# Allegro board IMX7D EVK BOARD REV D_160314.brd (continued)
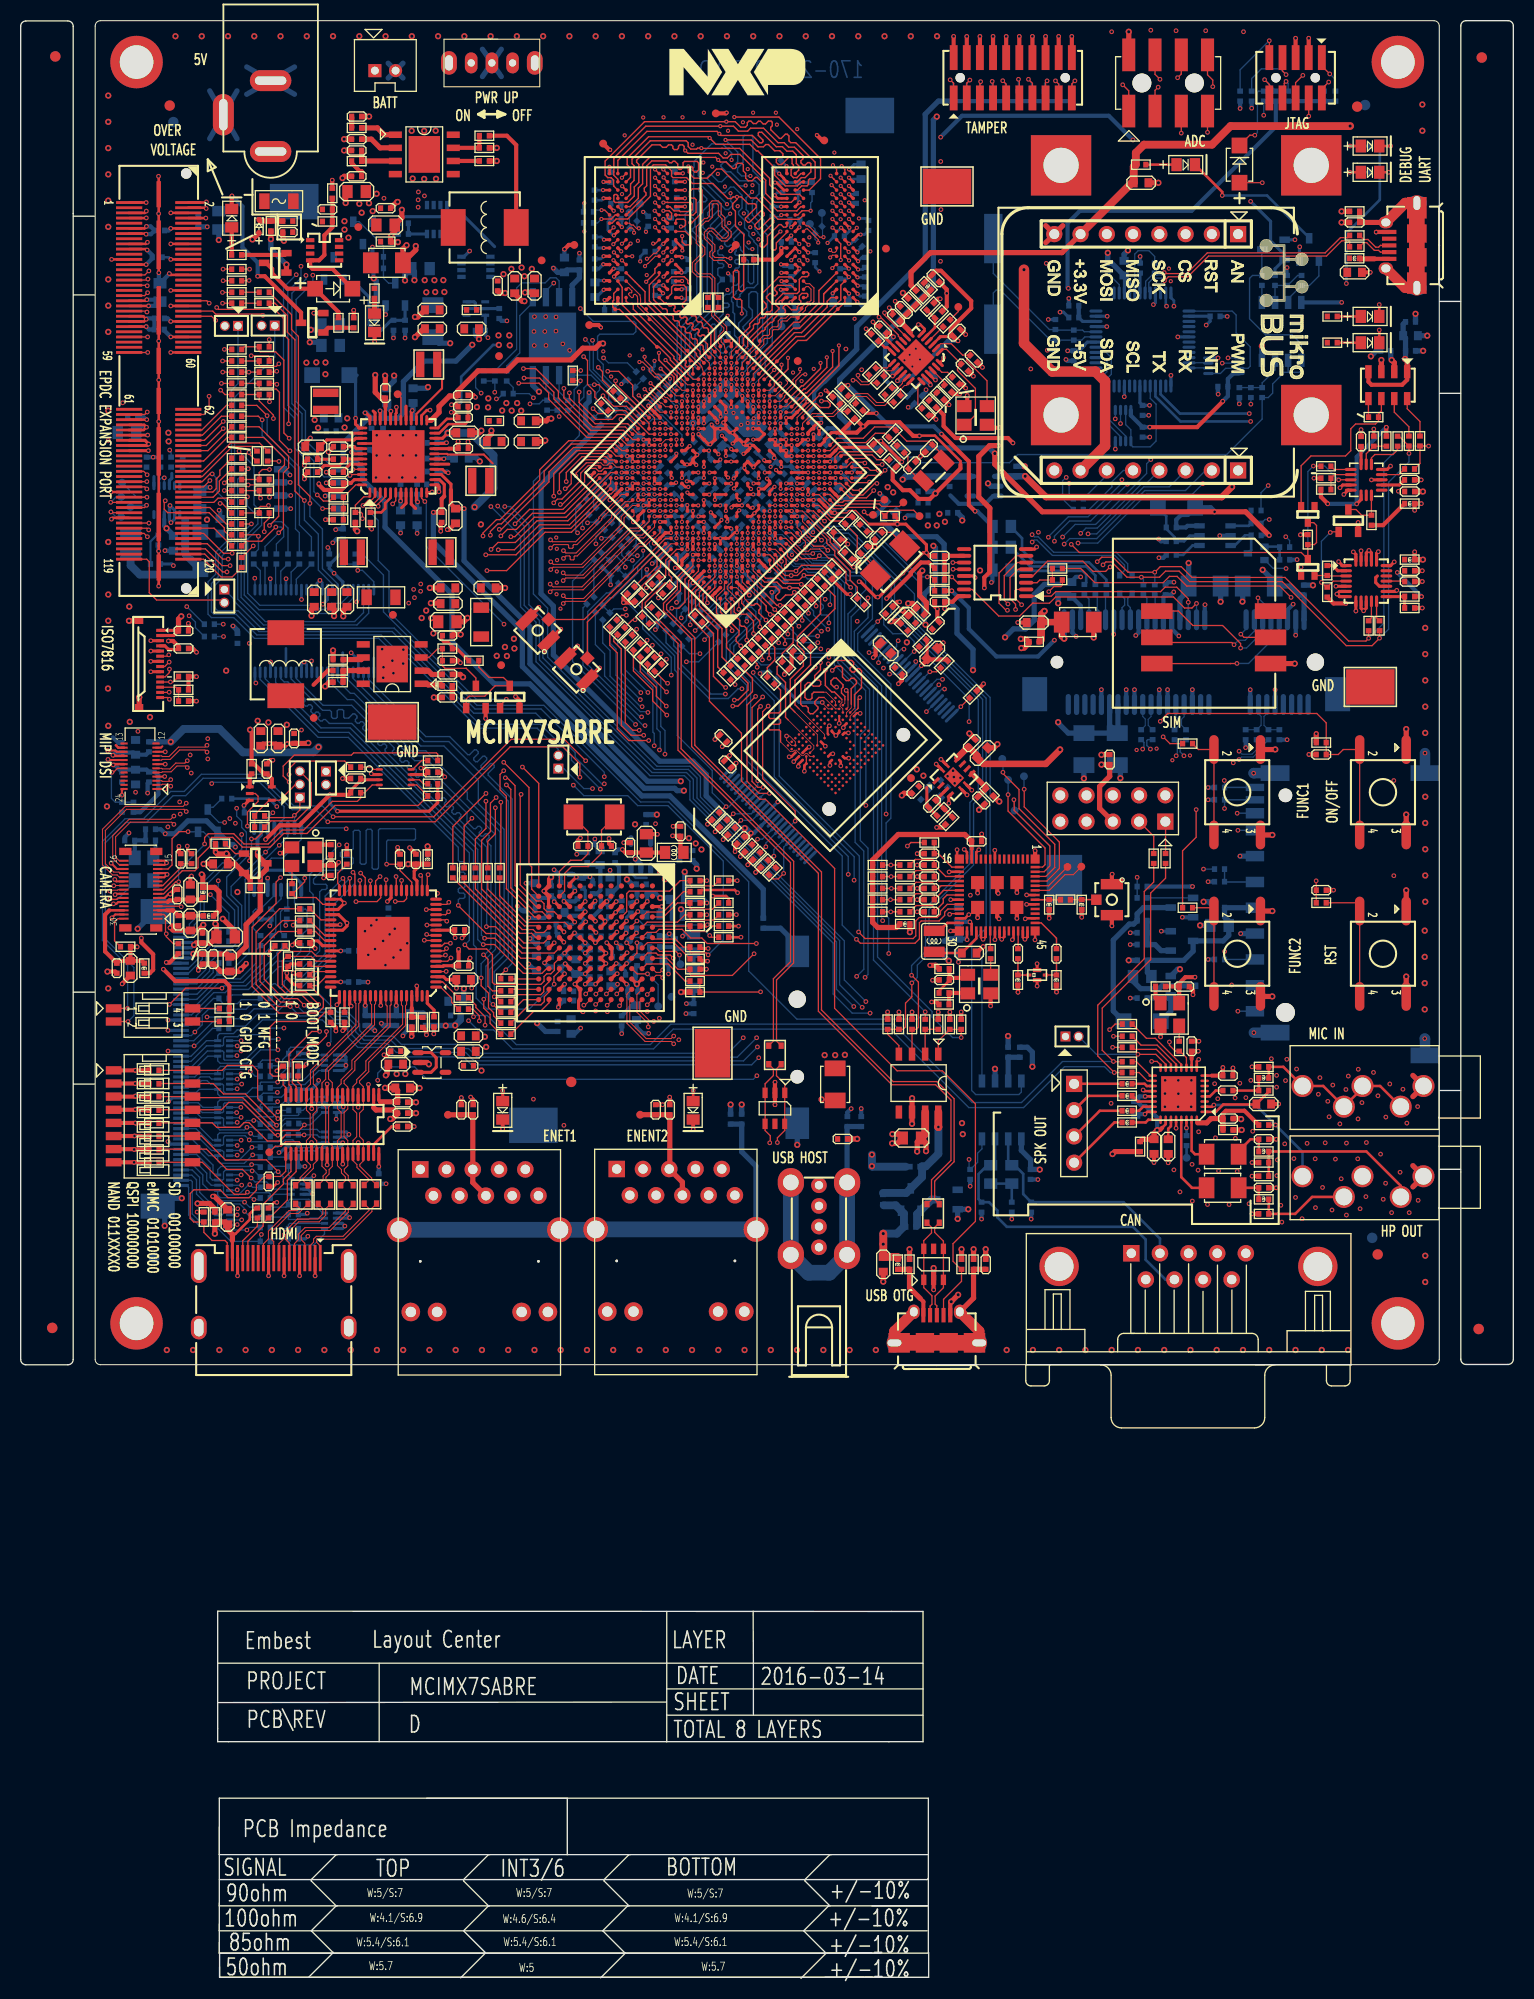
[diagram p0: board, top side]
## Routing (per net, layer and track width the routed paths; a pad name or vN(x,y) marks a point on that pad's centre or on a via; arc(x,y) is an arc through that point) (continued)
  vias: v1(22.11,129.13) v1(27.16,120.74) v2(14.29,149.5) v2(14.31,148.66) v2(22.19,120.77) v2(22.92,121.63) v2(23.96,121.48) v2(25.74,121.25) v2(64.63,110.28) v2(65.29,109.77) v2(65.85,109.19)
PERI_3V3_CP: length 2.1
  TOP w0.508: R12.1 40.68,125.11 39.41,125.11 39.3,125.22 U2.1
PERI_3V3_FB: length 3.1
  TOP w0.508: R13.1 R10.2 33.12,126.5 U2.7
PERI_3V3_RT: length 2
  TOP w0.508: U2.6 32.93,127.56 R15.1
PERI_3V3_SS: length 2.2
  TOP w0.508: U2.2 39.41,126.49 39.78,126.12 40.78,126.12 C15.1
PERI_EN: length 8.6
  TOP w0.127: U2.3 39.48,127.76 40.35,128.62 R9.2 C6.1 40.79,126.96 41.03,126.71 43.09,126.71 44.03,125.77 Q29.3
PERI_RST_B: length 3.8
  TOP w0.127: R497.2 R496.2 98.57,135.25 98.31,134.99 U38.3
PLLVDD_ENET: length 4.7
  TOP w0.305: U31.D9 v1(58.61,98.16)
  BOTTOM w0.406: L45.2 60.83,98.55 C323.1 60.29,98.91 C324.1 59.35,98.91 v1(58.61,98.16)
PMIC_5V: length 5.6
  TOP w0.305: v1(32.39,150.91) 32.39,150.33 32.76,149.96 U4.37
  BOTTOM w0.305: 32.55,155.07 32.39,154.91 v1(32.39,150.91)
PMIC_INT_B: length 47.1
  TOP w0.102: U7.H6 v3(69.26,138.75)
  TOP w0.127: v1(33.06,141.19) 33.06,141.67 32.94,141.8 R27.2 32.37,142.49 33.18,143.3 33.71,143.3 33.78,143.36 U4.1
  L6_INT_2 w0.102: 56.53,144.72 57.31,145.51 57.75,145.51 58,145.26 58.28,145.26 58.51,145.48 58.84,145.48 59.04,145.28 60.41,145.28 60.64,145.51 60.92,145.51 61.44,144.99 62.28,144.99 63.61,143.67 63.9,143.67 64.86,142.71 64.86,142.35 64.5,141.99 64.5,141.76 65.75,140.51 67.05,140.51 68.69,138.86 69.16,138.86 v3(69.26,138.75)
  L6_INT_2 w0.127: v1(33.06,141.19) 40.55,141.19 41.08,141.73 49.25,141.73 49.59,141.39 53.19,141.39 56.53,144.72
PMIC_ON_REQ: length 84.2
  TOP w0.102: v3(76.16,147.77) 76.16,147.77 U7.AB8
  TOP w0.127: R281.2 29.2,142.16 v1(29.2,142.16)
  L6_INT_2 w0.102: v3(76.16,147.77) 75.61,147.77 67.32,156.06
  L6_INT_2 w0.127: v1(26.66,164.79) 27.01,165.14 27.7,165.14 28.28,165.73 44.89,165.73 45.6,166.44 49.67,166.44 51.64,164.47 51.98,164.47 58.01,158.44 64.94,158.44 67.32,156.06
  BOTTOM w0.127: v1(29.2,142.16) 28,143.35 28,146.5 26.48,148.02 26.48,150.9 25.42,151.96 25.42,163.55 v1(26.66,164.79)
PMIC_ON_REQ_R: length 4.5
  TOP w0.127: U4.48 32.41,144.46 R307.1 R281.1 R280.2
PMIC_PWR: length 76.1
  TOP w0.254: J13.67 11.94,150.26 v1(12.17,150.04) 11.9,149.76 J13.69 ; J13.41 12.34,161.76 12.35,161.77 12.37,161.77 v1(12.37,161.77) ; v1(12.2,162.37) 12.09,162.26 J13.39 ; v1(12.16,169.46) 11.97,169.26 J13.11 ; v1(12.13,168.7) 12.07,168.76 J13.13 ; v1(12.28,149.27) 12.21,149.27 12.2,149.26 J13.71 ; v1(12.19,150.77) 12.19,150.76 J13.65
  TOP w0.305: v1(38.39,142.81) 38.28,142.93 U4.10 ; U4.28 37.78,151.53 37.88,151.64 v1(37.88,151.65) ; v1(41.18,148.53) 41.11,148.46 U4.21 ; U4.7 36.78,142.97 36.74,142.93 v1(36.74,142.89) ; 31.89,149.46 U4.38 ; U4.42 32.14,147.46 32.01,147.59 v1(32.01,147.62) ; U35.8 90.63,118.04 90.6,118.07 ; v1(40.45,143.79) 40.45,144.23 40.23,144.46 U4.13 ; v1(40.93,146.97) 40.92,146.96 U4.18
  TOP w0.635: v2(97.16,145.29) 99.18,143.27 116.17,143.27 v2(117.16,144.27) ; 90.6,118.07 C376.1 92.54,118.26 C375.1 92.54,118.02 93.09,117.47 99.15,117.47 v2(100.53,118.85)
  BOTTOM w0.305: v1(12.19,150.77) 11.91,151.05 C260.1 ; v1(12.17,150.04) 11.68,150.04 C257.1 11.42,149.27 v1(12.28,149.27)
  BOTTOM w0.406: C20.1 40.28,148.53 v1(41.18,148.53) ; v1(12.13,168.7) 12.6,168.7 C258.1 12.57,169.46 v1(12.16,169.46) ; v1(12.2,162.37) 13.28,162.37 C259.1 13.06,161.77 v1(12.37,161.77) ; C21.1 40.45,144.29 v1(40.45,143.79) ; C42.1 36.74,142.9 v1(36.74,142.89) 36.74,142.89 C43.1 ; C46.1 38.35,142.93 38.39,142.88 v1(38.39,142.81) 38.35,142.76 C47.1 ; C50.1 40.91,147 v1(40.93,146.97) 41.02,147.05 C53.1 ; v1(32.01,147.62) 32.25,147.85 C58.1
  BOTTOM w0.508: C37.1 37.91,151.62 v1(37.88,151.65) 37.95,151.72 C36.1 ; v2(89.78,98.42) 89.41,98.78 L14.1
  BOTTOM w0.635: U33.1 96.28,145.28 C378.1 97.15,145.28 v2(97.16,145.29)
  vias: v2(31.33,150.01) v2(31.58,150.89) v2(39.08,164.26) v2(39.23,163.09) v2(40.02,164.26) v2(40.09,163.11) v2(40.88,164.26) v2(40.98,163.11)
PMIC_PWRON: length 132
  TOP w0.127: R307.2 29.88,142.89 29.27,142.89 v1(28.69,143.48)
  L6_INT_2 w0.127: v1(120.77,141.11) 119.11,142.77 106.95,142.77 105.68,144.04 95.26,144.04 89.29,150.01 88.63,150.01 79.51,159.12 57.94,159.12 52.56,164.5 52.56,165.17 50.89,166.85 45.07,166.85 44.39,166.16 27.67,166.16 v1(27.11,165.6)
  BOTTOM w0.127: v1(28.69,143.48) 28.36,143.81 28.36,146.75 26.86,148.25 26.86,151.12 25.83,152.15 25.83,163.18 27.11,164.46 v1(27.11,165.6) ; R350.2 120.36,141.11 v1(120.77,141.11)
PMIC_SD_VSEL: length 65.4
  TOP w0.102: v1(76.8,139.08) 76.52,139.08 75.88,139.72 75.88,140.09 U7.R1
  TOP w0.127: v1(33.11,142.46) 33.62,142.97 33.92,142.97 34.28,143.32 U4.2
  L3_INT_1 w0.102: v1(76.8,139.08) 76.72,139.08 75.91,139.9 73.94,139.9 73.08,140.75 73.08,140.97 74.43,142.32 74.43,142.61 73.66,143.37 73.36,143.37 73.14,143.15 72.79,143.15 72.08,143.86 72.08,144.42 72.71,145.05 72.71,145.45 71.47,146.69 69.8,146.69 69.18,146.07 67.19,146.07 65.8,147.47 65.8,147.7 62.1,151.4 59.3,151.4 59.03,151.67
  L3_INT_1 w0.127: 59.03,151.67 56.18,151.67 55.56,152.29 50.94,152.29 45.3,146.65 45.3,145.26 40.5,140.46 34.77,140.46 33.11,142.12 v1(33.11,142.46)
PMIC_STBY_REQ: length 56.4
  TOP w0.102: U7.AC7 77.22,147.77 v3(77.22,147.77)
  TOP w0.127: U4.4 35.28,143.31 34.58,142.61 v1(34.58,142.39)
  L3_INT_1 w0.102: 59.68,152.51 62.41,152.51 64.96,149.95 65.1,149.95 65.42,150.27 65.72,150.27 68.46,147.53 69.38,147.53 69.71,147.86 73.07,147.86 74.33,146.6 74.33,146.25 74.84,145.74 75.71,145.74 77.07,147.09 77.07,147.61 v3(77.22,147.77)
  L3_INT_1 w0.127: v1(34.58,142.39) 34.58,142.11 35.42,141.27 40.25,141.27 43.32,144.34 43.32,146.58 44.75,148.01 45.65,148.01 50.54,152.9 55.87,152.9 56.26,152.51 59.68,152.51
PMIC_VCORE: length 1.9
  TOP w0.305: C61.1 32.27,148.15 32.46,147.96 U4.41
PMIC_VCOREREF: length 2.2
  TOP w0.305: U4.44 31.84,146.46 31.21,145.83 C60.1
PMIC_VDDOTP: length 7.3
  TOP w0.305: R28.2 R282.1 28.72,147.92 C62.1 29.6,148.81 32.25,148.81 32.4,148.96 U4.39
PMU_3V3_CP: length 3.5
  TOP w0.508: U3.1 35.16,178.33 34.51,178.98 R16.1
PMU_3V3_EN: length 4.3
  TOP w0.508: C12.1 R11.2 32.99,175.79 U3.3
PMU_3V3_FB: length 3.7
  TOP w0.406: U3.7 44.36,177.06 R17.1 R14.2
PMU_3V3_RT: length 2.5
  TOP w0.406: U3.6 R18.1
PMU_3V3_SS: length 3.6
  TOP w0.508: C18.1 33.92,177.9 34.76,177.06 U3.2
POR_B: length 175.3
  TOP w0.102: v3(72.97,143.52) 72.98,143.51 U7.R6
  TOP w0.127: v1(87.69,135.55) 88.11,135.55 R352.2 R561.2 ; v1(33.92,142.51) 34.02,142.51 34.78,143.27 U4.3 ; D26.1 v1(120.09,173.68) ; v1(46.98,123.72) 46.37,123.11 Q30.1
  L3_INT_1 w0.102: v3(72.97,143.52) 72.4,144.09 72.4,144.32 74.02,145.94 74.02,146.48 73.04,147.47 70.7,147.47 70.22,146.99 69.64,146.99 68.99,146.33 67.36,146.33 66.12,147.58 66.12,147.73 62.14,151.71 59.81,151.71 59.46,152.06
  L3_INT_1 w0.127: v1(33.92,142.51) 33.92,142.21 35.24,140.89 40.37,140.89 44.97,145.48 44.97,146.83 50.74,152.6 55.74,152.6 56.28,152.06 59.46,152.06 ; v1(120.66,144.39) 118.78,142.51 96.02,142.51 91.32,137.81 89.95,137.81 v1(87.69,135.55)
  L6_INT_2 w0.127: v1(120.66,144.39) 120.66,173.11 v1(120.09,173.68)
  BOTTOM w0.102: v3(72.97,143.52) 73.5,143.52 74.41,144.43 74.72,144.43 76.01,143.13 76.01,143.12 76.31,143.12 76.6,143.41 77.18,143.41 77.44,143.66 78.03,143.66 79.74,141.95
  BOTTOM w0.127: v1(46.98,123.72) 44.08,123.72 35.62,132.17 35.62,136.09 34.58,137.13 34.58,141.01 33.92,141.67 v1(33.92,142.51) ; R321.2 119.97,143.7 v1(120.66,144.39) ; v1(87.69,135.55) 86.93,135.55 80.53,141.95 79.74,141.95
PSU_5V0: length 141.6
  TOP w0.254: J13.8 v1(17.91,170.26) ; J13.4 17.87,171.26 v1(17.94,171.19) ; v1(12.15,170.27) 12.14,170.26 J13.7 ; v1(17.97,171.82) 17.91,171.76 J13.2
  TOP w0.305: 40.68,129.53 40.93,129.28 41.29,129.28 41.75,128.82 R9.1 42.18,128.62 R584.1 ; v1(12.36,147.77) 12.35,147.76 J13.77 ; J13.75 12.24,148.26 v1(12.38,148.41) 12.02,148.76 J13.73 ; J18.2 14.82,129.89 C387.1 15.22,130.39 J18.1
  TOP w0.406: R11.1 32.01,175.59 32.79,174.8 32.98,174.8 32.98,174.5
  TOP w0.508: v2(15.53,131.74) 15.27,131.48 C387.1 ; R311.1 105.84,79.97 v2(105.6,79.73) ; v2(16.77,99.95) 16.96,100.14 C262.1 18.34,100.14 C261.1 18.93,101.9 v2(18.83,102)
  TOP w1.016: v2(97.04,165.27) 97.04,158.16 99.78,155.42 103.95,155.42 104.89,154.48 104.89,148.23 J33.7
  L6_INT_2 w1.016: v1(35.14,172.18) 34.86,172.18 v2(34.43,172.61) 34.43,173.91 36.99,176.47 41.82,176.47 46.95,181.6 80.71,181.6 v2(97.04,165.27)
  BOTTOM w0.305: J14.47 16.51,99.69 v2(16.77,99.95) 16.54,100.19 J14.48
  BOTTOM w0.406: R612.1 34.12,164.46 v2(34.15,164.43)
  BOTTOM w0.508: v2(97.85,88.18) 97.85,89.58 97.37,90.06 R243.1 ; v2(34.15,164.43) 34.39,164.19 R543.1
  vias: v2(32.75,171.65) v2(32.98,170.78) v2(33.69,171.7) v2(34.05,170.94) v2(38.78,131.58) v2(39.22,132.3) v2(39.71,131.57) v2(39.91,130.09)
PWR_LED: length 1.5
  TOP w0.508: D1.1 34.22,161.03 R1.1
PWR_OV_BASE: length 4.6
  TOP w0.508: R537.2 v2(24.2,168.23) ; Q17.1 v2(25.7,165.77)
  BOTTOM w0.508: v2(24.2,168.23) 24.2,167.27 v2(25.7,165.77)
PWR_OV_CTL: length 2.8
  TOP w0.508: 23.82,169.98 R537.1 24.21,169.98 ; 23.82,169.98 23.82,169.98 24.21,169.98 ; 23.82,169.98 23.18,169.98 D17.2 ; 24.21,169.98 R538.2
PWR_OVP_LED: length 10
  TOP w0.406: R6.1 30.73,161.18 D20.1 25.8,163.43 24.32,164.92 24.32,165.35 23.74,165.93 Q17.3
QSPIA_DA0: length 8.2
  BOTTOM w0.127: R392.2 47.01,155.96 48.27,157.22 48.27,160.83 49.53,162.09 U11.5
QSPIA_DA1: length 2.8
  BOTTOM w0.127: U11.2 52.07,153.47 R393.2
QSPIA_DA2: length 2.9
  BOTTOM w0.127: U11.3 50.8,153.75 R395.2
QSPIA_DA3: length 15.1
  BOTTOM w0.127: U11.7 52.07,164.2 51.79,164.48 51.22,164.48 50.73,163.99 48.45,163.99 47.97,163.51 47.97,157.57 R394.2
QSPIA_SCLK: length 22.2
  L3_INT_1 w0.127: v1(51.56,163.98) 51.67,163.98 v1(54.14,161.51)
  BOTTOM w0.127: v1(54.14,161.51) 55.38,160.27 59.32,160.27 59.5,160.09 59.5,159.28 59.25,159.03 56.01,159.03 55.79,158.82 55.79,156.66 56.35,156.1 56.35,155.09 57.88,153.55 R299.2 ; U11.6 50.8,163.22 51.56,163.98 v1(51.56,163.98)
QSPIA_SS0_B: length 7
  BOTTOM w0.127: U11.1 55.18,155.06 55.99,154.25 55.99,153.64 55.64,153.28 55.64,152.37 56.16,151.85 R300.2 56.16,151.66 R92.2
RDAC: length 2.3
  TOP w0.305: U31.E9 v1(57.61,98.16)
  BOTTOM w0.305: R274.1 58.51,97.43 57.77,98.16 v1(57.61,98.16)
REFCLKN: length 9
  TOP w0.127: Y8.2 54.86,110.93 C350.1 54.86,108.76 54.25,108.15 53.19,108.15 52.1,107.06 U31.K1
REFCLKP: length 10.8
  TOP w0.127: U31.K2 52.61,105.17 52.61,106.87 53.28,107.54 54.9,107.54 56.18,108.81 C349.1 56.18,111.06 Y8.1
RGMII1_LED1: length 57.3
  TOP w0.254: R264.1 v1(69.3,106.18)
  L6_INT_2 w0.254: v1(69.3,106.18) 67.85,104.72 67.85,93.94 53.43,79.52 53.43,77.23 49.77,73.57 46.86,73.57 J27.11
RGMII1_LED2: length 54.5
  TOP w0.254: R267.1 65.87,105.27 69.07,105.27 v1(69.34,105.01)
  L6_INT_2 w0.254: J27.13 46.65,66.26 46.65,69.44 54.19,76.99 54.19,79.38 68.46,93.64 68.46,104.12 v1(69.34,105.01)
RGMII1_LED3: length 37.3
  TOP w0.254: v1(66.92,104.69) 68.23,104.69 68.48,104.43 R266.1
  TOP w0.305: D12.1 v1(46.62,85.84)
  L6_INT_2 w0.254: v1(66.92,104.69) 67.28,104.33 67.28,98.44
  L6_INT_2 w0.305: 67.28,98.44 67.28,95.18 64.3,92.2 62.77,92.2 56.42,85.84 v1(46.62,85.84)
RGMII1_LED_AC: length 5.6
  TOP w0.127: U31.B4 60.58,103.14 62.13,103.14 64.1,105.1 R267.2
RGMII1_LED_LINKSP1: length 12.5
  TOP w0.127: U31.D4 58.62,103.17 58.62,104.92 58.85,105.16 62.78,105.16 63.8,106.18 R272.1 64.74,105.8 64.87,105.67 67.01,105.67 R264.2
RGMII1_LED_LINKSP2: length 7.8
  TOP w0.127: U31.A4 62.17,102.66 63.53,104.02 R277.1 64.74,103.53 64.86,103.41 66.91,103.41 R266.2
RGMII1_RX_CTL: length 45.7
  TOP w0.102: U7.E15 v3(62.37,142.47)
  TOP w0.127: R533.1 41.8,111.41 v1(45.01,114.61)
  L6_INT_2 w0.102: v3(62.37,142.47) 61.82,142.47 59.3,139.95
  L6_INT_2 w0.127: v1(45.01,114.61) 45.12,114.73 47.33,114.73 49.01,116.4 49.01,121.18 56.15,128.32 56.15,136.29 59.3,139.44 59.3,139.95
RGMII1_RXC: length 44.4
  TOP w0.102: U7.F15 62.9,143 v3(62.9,143)
  TOP w0.127: v1(46.44,113.76) 46.44,107.53 R531.1
  L6_INT_2 w0.102: 60.58,137.6 60.77,137.79 60.77,139.21 63.28,141.72 63.28,142.07 63.03,142.31 63.03,142.87 v3(62.9,143)
  L6_INT_2 w0.127: 60.58,137.6 58.41,135.43 58.41,134.87 57.42,133.88 57.42,126.85 50.07,119.51 50.07,115.51 48.32,113.76 v1(46.44,113.76)
RGMII1_RXD0: length 5.7
  TOP w0.102: U7.E14 v3(62.9,141.94)
  BOTTOM w0.102: 60.81,140.37 62.38,141.94 v3(62.9,141.94)
  BOTTOM w0.127: R529.1 59.53,139.09 60.81,140.37
RGMII1_RXD1: length 44.7
  TOP w0.102: U7.F14 v3(63.43,142.47)
  TOP w0.127: R534.1 45.18,109.98 45.91,110.71 v1(45.91,113.23)
  L6_INT_2 w0.102: v3(63.43,142.47) 63.59,142.31 63.59,141.55 61.86,139.82 61.81,139.69
  L6_INT_2 w0.127: v1(45.91,113.23) 48.3,113.23 50.43,115.36 50.43,119.21 57.75,126.52 57.75,133.6 58.79,134.64 58.79,135.27 61.81,138.3 61.81,139.69
RGMII1_RXD2: length 46.2
  TOP w0.102: v3(63.43,140.34) 63.43,140.34 U7.D13
  TOP w0.127: R536.1 43.98,110.21 45,111.23 v1(45,113.86)
  L6_INT_2 w0.102: v3(63.43,140.34) 62.84,140.34 62.27,139.77 62.27,137.2 61.62,136.56
  L6_INT_2 w0.127: 61.62,136.56 60.84,135.78 60.08,135.78 59.17,134.87 59.17,131.79 58.36,130.98 58.36,126.49 50.81,118.94 50.81,115.23 48.25,112.67 45.73,112.67 45,113.4 v1(45,113.86)
RGMII1_RXD3: length 46.4
  TOP w0.102: U7.E13 v3(63.96,140.87)
  TOP w0.127: v1(43.65,112.21) 42.89,111.45 R535.1
  L6_INT_2 w0.102: 61.89,136.29 63,137.41 63,139.36 63.96,140.32 v3(63.96,140.87)
  L6_INT_2 w0.127: v1(43.65,112.21) 48.32,112.21 51.19,115.08 51.19,118.67 59.09,126.56 59.09,129.12 60.11,130.14 60.11,131.39 59.5,132 59.5,134.59 60.31,135.4 61,135.4 61.89,136.29
RGMII1_TX_CTL: length 5.7
  TOP w0.102: U7.E16 v3(61.84,143)
  BOTTOM w0.102: 60.82,141.34 60.82,141.45 61.84,142.47 v3(61.84,143)
  BOTTOM w0.127: R532.1 58.97,139.19 60.82,141.04 60.82,141.34
RGMII1_TXC: length 7.4
  TOP w0.102: v3(62.37,143.53) 62.37,143.53 U7.F16
  BOTTOM w0.102: v3(62.37,143.53) 61.83,143.53 61.45,143.15 61.17,143.15 60.92,143.4 60.64,143.4 59.88,142.64 59.19,142.64 58.15,141.6
  BOTTOM w0.127: 58.15,141.6 57.9,141.34 R527.1
RGMII1_TXD0: length 10.1
  TOP w0.102: U7.F17 v3(61.84,144.06)
  BOTTOM w0.102: 57.95,146.14 58.18,146.14 58.51,145.81 58.84,145.81 59.04,146.02 59.35,146.02 61.31,144.06 v3(61.84,144.06)
  BOTTOM w0.127: R528.1 54.74,143.47 57.42,146.14 57.95,146.14
RGMII1_TXD1: length 6.6
  TOP w0.102: v3(61.31,143.53) 61.31,143.53 U7.E17
  BOTTOM w0.102: 57.95,142.16 59.47,143.68 59.88,143.68 60.11,143.91 60.39,143.91 60.62,143.68 61.16,143.68 v3(61.31,143.53)
  BOTTOM w0.127: 57.95,142.16 57.32,141.53 R526.1
RGMII1_TXD2: length 9
  TOP w0.102: U7.E18 60.78,144.06 v3(60.78,144.06)
  BOTTOM w0.102: v3(60.78,144.06) 60.7,144.14 60.18,144.14 58.79,145.54 58.56,145.54 58.3,145.28 57.97,145.28 57.72,145.54 57.29,145.54
  BOTTOM w0.127: 57.29,145.54 55.41,143.66 55.41,142.5 R525.1
RGMII1_TXD3: length 4.9
  TOP w0.102: U7.D18 60.25,143.53 v3(60.25,143.53)
  BOTTOM w0.102: v3(60.25,143.53) 60.12,143.4 59.57,143.4 57.85,141.67
  BOTTOM w0.127: R530.1 57.15,140.98 57.85,141.67
RGMII2_LED1: length 48.3
  TOP w0.254: R269.1 69.43,101.78 v1(69.43,101.77)
  L6_INT_2 w0.254: J28.11 60.83,68.58 60.83,70.35 54.98,76.19 54.98,79.25 69.08,93.35 69.08,101.42 v1(69.43,101.77)
RGMII2_LED2: length 48
  TOP w0.254: v1(69.67,100.71) 69.66,100.7 R270.1
  L6_INT_2 w0.254: J28.13 67.46,64.99 55.74,76.7 55.74,79.04 69.67,92.97 v1(69.67,100.71)
RGMII2_LED3: length 21.4
  TOP w0.254: D13.1 v1(65.04,85.87) ; R268.1 69.21,102.88 v1(69.23,102.89)
  L6_INT_2 w0.254: v1(69.23,102.89) 70.28,101.84 70.28,92.47 65.04,87.24 v1(65.04,85.87)
RGMII2_LED_AC: length 9.4
  TOP w0.127: U31.C5 59.11,101.78 v1(59.6,102.27) ; R270.2 66.8,100.7 v1(66.64,100.87)
  BOTTOM w0.127: v1(66.64,100.87) 66.34,101.17 66.34,101.29 65.74,101.89 60.24,101.89 59.86,102.27 v1(59.6,102.27)
RGMII2_LED_LINKSP1: length 7.1
  TOP w0.127: U31.A5 61.22,101.78 R273.1 64.74,101.4 64.88,101.25 66.41,101.25 66.94,101.78 R269.2
RGMII2_LED_LINKSP2: length 8.6
  TOP w0.127: U31.B5 60.11,101.68 60.59,102.16 63.53,102.16 64.24,102.88 R276.1 64.74,102.5 64.87,102.37 67.04,102.37 R268.2
RGMII2_RX_CTL: length 46.3
  TOP w0.127: U31.M9 48.8,97.66 45.86,100.6 v1(44.87,100.6)
  BOTTOM w0.127: v1(44.87,100.6) 44.56,100.91 44.56,109.39 35.25,118.71 35.25,118.89 35.4,119.04 35.4,119.22 35.22,119.4 35.04,119.4 34.89,119.25 34.71,119.25 34.53,119.43 34.53,119.61 34.68,119.76 34.68,119.94 34.5,120.12 34.32,120.12 34.17,119.96 33.99,119.96 33.81,120.14 33.81,120.32 33.96,120.47 33.96,120.65 33.78,120.83 33.6,120.83 33.45,120.68 33.27,120.68 33.09,120.86 33.09,121.04 33.24,121.19 33.24,121.37 33.06,121.55 32.88,121.55 32.73,121.4 32.55,121.4 32.37,121.58 32.37,121.76 32.52,121.91 32.52,122.09 32.31,122.31 32.13,122.31 31.72,121.9 31.33,121.9 31.24,121.99 31.24,122.6 31.12,122.73 30.75,122.73 30.62,122.6 30.62,121.99 30.49,121.86 30.21,121.86 30.06,122.01 30.06,122.5 29.91,122.65 29.2,122.65 26.16,125.69 U36.17
RGMII2_RXC: length 48
  TOP w0.127: U31.K7 52.09,99.66 51.6,99.17 48.48,99.17 45.93,101.72 v1(45.05,101.72)
  BOTTOM w0.127: U36.16 26.66,125.72 29.25,123.13 32.02,123.13 36.11,119.04 36.11,118.86 35.96,118.71 35.96,118.53 36.14,118.35 36.32,118.35 36.47,118.5 36.65,118.5 36.83,118.32 36.83,118.14 36.68,117.99 36.68,117.81 36.86,117.63 37.04,117.63 37.19,117.78 37.37,117.78 37.55,117.6 37.55,117.42 37.4,117.27 37.4,117.09 37.58,116.91 37.76,116.91 37.91,117.06 38.09,117.06 38.27,116.88 38.27,116.7 38.12,116.55 38.12,116.37 38.29,116.19 38.47,116.19 38.63,116.34 38.8,116.34 38.98,116.16 38.98,115.98 38.83,115.83 38.83,115.65 39.01,115.47 39.19,115.47 39.34,115.62 39.52,115.62 39.7,115.45 39.7,115.27 39.55,115.12 39.55,114.94 39.73,114.76 39.91,114.76 40.06,114.91 40.24,114.91 40.42,114.73 40.42,114.55 40.27,114.4 40.27,114.22 40.45,114.04 40.63,114.04 40.78,114.19 40.96,114.19 41.14,114.01 41.14,113.83 40.99,113.68 40.99,113.5 41.17,113.32 41.35,113.32 41.5,113.47 41.68,113.47 41.86,113.29 41.86,113.11 41.71,112.96 41.71,112.78 41.89,112.6 42.07,112.6 42.22,112.75 42.4,112.75 42.58,112.57 42.58,112.39 42.43,112.24 42.43,112.06 45.07,109.42 45.07,101.75 v1(45.05,101.72)
RGMII2_RXD0: length 46
  TOP w0.127: U31.M8 48.38,98.66 45.99,101.06 45.02,101.06 42.33,103.75 v1(42.33,103.78)
  BOTTOM w0.127: v1(42.33,103.78) 42.33,104.33 42.45,104.46 42.84,104.46 42.96,104.58 42.96,104.84 42.84,104.96 42.45,104.96 42.33,105.09 42.33,105.34 42.45,105.47 42.84,105.47 42.96,105.6 42.96,105.85 42.84,105.98 42.45,105.98 42.33,106.11 42.33,106.36 42.45,106.49 42.84,106.49 42.96,106.61 42.96,106.87 42.84,107 42.45,107 42.33,107.12 42.33,107.38 42.45,107.5 42.84,107.5 42.96,107.63 42.96,107.88 42.84,108.01 42.45,108.01 42.33,108.14 42.33,109.39 31.69,120.03 28.76,120.03 23.16,125.64 U36.23
RGMII2_RXD1: length 50.4
  TOP w0.127: U31.K8 51.62,98.18 51.62,97.5 51.28,97.16 50.88,97.16 50.62,96.9 50.62,96.45 50.32,96.14 45.82,96.14 45.63,96.34 45.63,99 45.07,99.56 43.37,99.56 v1(42.96,99.97)
  BOTTOM w0.127: U36.22 23.66,125.7 28.84,120.52 31.74,120.52 43.39,108.86 43.39,100.4 v1(42.96,99.97)
RGMII2_RXD2: length 51.9
  TOP w0.127: v1(51.6,96.16) 51.58,96.18 51.58,96.89 52.1,97.42 U31.K9
  BOTTOM w0.127: U36.20 24.66,125.33 29.04,120.95 31.86,120.95 43.8,109.01 43.8,99.97 44.06,99.71 44.06,94.81 45.12,93.74 49.19,93.74 v1(51.6,96.16)
RGMII2_RXD3: length 46.6
  TOP w0.127: U31.L9 50.87,97.66 50.42,97.21 48.62,97.21 45.83,99.99 v1(44.74,99.99)
  BOTTOM w0.127: U36.19 25.16,125.72 25.49,125.39 25.84,125.39 26.06,125.17 26.06,124.99 25.92,124.86 25.92,124.68 26.1,124.5 26.28,124.5 26.42,124.64 26.6,124.64 26.78,124.46 26.78,124.28 26.64,124.14 26.64,123.96 26.82,123.78 27,123.78 27.14,123.92 27.32,123.92 27.5,123.74 27.5,123.56 27.36,123.42 27.36,123.24 27.54,123.06 27.72,123.06 27.86,123.2 28.04,123.2 28.22,123.02 28.22,122.84 28.08,122.7 28.08,122.52 28.26,122.34 28.44,122.34 28.58,122.48 28.76,122.48 28.94,122.3 28.94,122.12 28.8,121.98 28.8,121.8 28.98,121.62 29.16,121.62 29.3,121.76 29.48,121.76 29.86,121.38 32.02,121.38 44.21,109.19 44.21,100.48 44.69,99.99 v1(44.74,99.99)
RGMII2_TX_CTL: length 5
  TOP w0.127: R343.2 48.09,95.15 50.31,95.15 50.59,95.43 50.59,95.88 51.1,96.4 51.1,96.66
RGMII2_TXC: length 2.7
  TOP w0.127: 50.1,96.66 47.44,96.66 R344.2
RGMII2_TXD0: length 2.8
  TOP w0.127: R467.2 47.56,95.66 U31.M11
RGMII2_TXD1: length 5.5
  TOP w0.127: R466.2 49.17,94.16 50.32,94.16 50.64,94.48 50.64,94.95 51.1,95.41 U31.L11
RGMII2_TXD2: length 5.3
  TOP w0.127: R465.2 49.66,93.58 50.32,93.58 51.1,94.37 U31.L12
RGMII2_TXD3: length 3.2
  TOP w0.127: R464.2 48.63,94.66 U31.M12
RTC_XO: length 3.7
  TOP w0.127: Y1.2 87.03,144.85 C103.1 85.81,146.07 85.81,147.22 R285.2
RTC_XTALI: length 13.3
  TOP w0.127: U7.AE6 78.94,148.96 81.49,148.96 82.59,150.06 84.34,150.06 R36.1 85.71,148.68 87.84,148.68 C102.1 89.29,147.23 Y1.1
RTC_XTALO: length 8.2
  TOP w0.127: U7.AD6 78.29,147.77 79.06,148.54 81.76,148.54 82.66,149.45 83.58,149.45 R36.2 84.77,148.25 R285.1
RX_DV_P0: length 11.1
  TOP w0.127: R533.2 48.58,99.66 U31.M7
RX_LED1: length 33.3
  TOP w0.254: D8.2 132.49,177.23 v1(132.5,177.23)
  L3_INT_1 w0.254: v1(132.5,177.23) 133.16,176.57 133.16,172.89 126.4,166.13 115.94,166.13 v1(111.54,161.74)
  BOTTOM w0.254: v1(111.54,161.74) 111.54,162.27 111.25,162.56 U18.12
RX_LED2: length 29.9
  TOP w0.254: D10.2 v1(131.41,159.43)
  L3_INT_1 w0.254: v1(118.96,150.59) 120.46,152.09 120.46,154.4 125.49,159.43 v1(131.41,159.43)
  BOTTOM w0.254: v1(118.96,150.59) 112.18,150.59 109.75,153.01 U18.28
RXC_P0: length 9.8
  TOP w0.127: R531.2 46.32,104.71 48.9,102.14 52.63,102.14 U31.J5
RXD_P0_0: length 49.5
  TOP w0.127: v1(45.99,114.22) 45.44,113.67 45.44,110.93 44.59,110.08 44.59,105.37 48.52,101.44 49.56,101.44 49.85,101.16 50.6,101.16 U31.L5
  L6_INT_2 w0.127: v1(45.99,114.22) 47.38,114.22 49.34,116.17 49.34,120.86 56.6,128.12 56.6,135.98 58.23,137.61 v1(59.65,137.61)
  BOTTOM w0.127: v1(59.65,137.61) 59.27,137.61 59.09,137.79 R529.2
RXD_P0_1: length 7.5
  TOP w0.127: R534.2 45.18,105.35 48.72,101.8 49.97,101.8 U31.M5
RXD_P0_2: length 9.1
  TOP w0.127: R536.2 43.98,105.38 48.27,101.08 49.42,101.08 49.84,100.66 U31.M6
RXD_P0_3: length 11.3
  TOP w0.127: R535.2 42.89,105.92 48.67,100.15 50.59,100.15 U31.L6
SAI1_MCLK: length 11.3
  TOP w0.102: U7.E10 v3(65.55,139.28)
  BOTTOM w0.102: v3(65.55,139.28) 65,139.28 64.07,138.35 63.85,138.35 63.02,139.19 62.28,139.19 61.67,138.57 61.67,138.1 60.87,137.31
  BOTTOM w0.127: R112.1 59.4,134.58 R110.1 60.07,135.32 60.07,136.5 60.87,137.31
SAVDD_ENET: length 11.5
  TOP w0.305: U31.D3 57.55,103.11 v1(57.54,103.11) 57.54,103.1 U31.E4 ; U31.B3 v1(60.61,104.16) ; U31.J2 v1(53.61,105.16) ; U31.H3 v1(54.61,104.16)
  BOTTOM w0.305: C310.1 57.71,103.28 v1(57.54,103.11) ; C308.1 54.61,105.23 v1(54.61,104.16)
  BOTTOM w0.406: v1(60.61,104.16) 60.61,104.89 C311.1 ; v1(53.61,105.16) 53.61,105.36 C309.1 ; v2(61.86,104.5) 61.44,104.91 61.29,104.91
  BOTTOM w0.508: L42.2 63.04,104.13 C307.1 62.67,104.5 v2(61.86,104.5) ; 61.29,104.91 C311.1
SD1_CD_B: length 76.6
  TOP w0.102: U7.C6 v3(66.61,136.1)
  L3_INT_1 w0.127: v3(66.61,136.1) 66.61,134.76 67.35,134.03 67.35,131.59 67.88,131.06 67.88,127.37 70.42,124.83 73.24,124.83 75.65,122.42 79.73,122.42 90.58,111.58 94.26,111.58 94.38,111.45 94.38,111.09 94.51,110.97 94.76,110.97 94.89,111.09 94.89,111.45 95.02,111.58 95.27,111.58 95.4,111.45 95.4,111.09 95.53,110.97 95.78,110.97 95.91,111.09 95.91,111.45 96.03,111.58 96.29,111.58 96.42,111.45 96.42,111.09 96.54,110.97 96.8,110.97 96.92,111.09 96.92,111.45 97.05,111.58 97.3,111.58 97.43,111.45 97.43,111.09 97.56,110.97 97.81,110.97 97.94,111.09 97.94,111.45 98.07,111.58 98.26,111.58 99.51,110.32 113.61,110.32 113.98,110.7 113.98,110.88 113.76,111.1 113.76,111.28 113.94,111.46 114.12,111.46 114.34,111.24 114.52,111.24 114.7,111.42 114.7,111.6 114.48,111.82 114.48,112 114.66,112.18 114.84,112.18 115.06,111.95 115.24,111.95 115.42,112.13 115.42,112.31 115.2,112.54 115.2,112.72 115.38,112.9 115.56,112.9 115.78,112.67 115.96,112.67 v1(116.44,113.15)
  BOTTOM w0.137: v1(116.44,113.15) R101.2 116.44,113.99 J6.10
SD1_CLK: length 71.8
  TOP w0.137: v1(68.19,124.86) 68.08,124.86 67.98,124.96 67.01,125.94 67.01,130.08 R40.2
  L3_INT_1 w0.127: v1(68.19,124.86) 68.44,124.86 72.41,120.9 74.18,120.9 74.88,120.19 74.88,119.27 78.3,115.85 84.69,115.85 86.11,114.43 86.11,114.25 85.77,113.91 85.77,113.73 85.95,113.55 86.13,113.55 86.47,113.89 86.65,113.89 86.83,113.71 86.83,113.53 86.49,113.19 86.49,113.01 86.67,112.83 86.85,112.83 87.19,113.17 87.37,113.17 87.55,112.99 87.55,112.81 87.21,112.47 87.21,112.29 87.39,112.11 87.57,112.11 87.91,112.45 88.09,112.45 89.39,111.15 89.39,110.97 89.05,110.63 89.05,110.45 89.23,110.27 89.41,110.27 89.75,110.61 89.93,110.61 90.11,110.43 90.11,110.25 89.77,109.91 89.77,109.73 89.95,109.55 90.13,109.55 90.47,109.89 90.65,109.89 90.87,109.67 94.7,109.67 94.82,109.54 94.82,109.19 94.95,109.06 95.2,109.06 95.33,109.19 95.33,109.54 95.46,109.67 95.71,109.67 95.84,109.54 95.84,109.19 95.97,109.06 96.22,109.06 96.35,109.19 96.35,109.54 96.47,109.67 96.73,109.67 96.86,109.54 96.86,109.19 96.98,109.06 97.24,109.06 97.36,109.19 97.36,109.54 97.49,109.67 98.26,109.67 98.96,108.97 109.56,108.97 109.69,108.84 109.69,108.6 109.82,108.48 110.15,108.48 110.27,108.6 110.27,108.84 110.4,108.97 110.87,108.97 112.55,107.29 v1(114.4,107.29)
  BOTTOM w0.137: R106.1 v1(114.4,107.29)
